# Allegro board mask_layout.brd
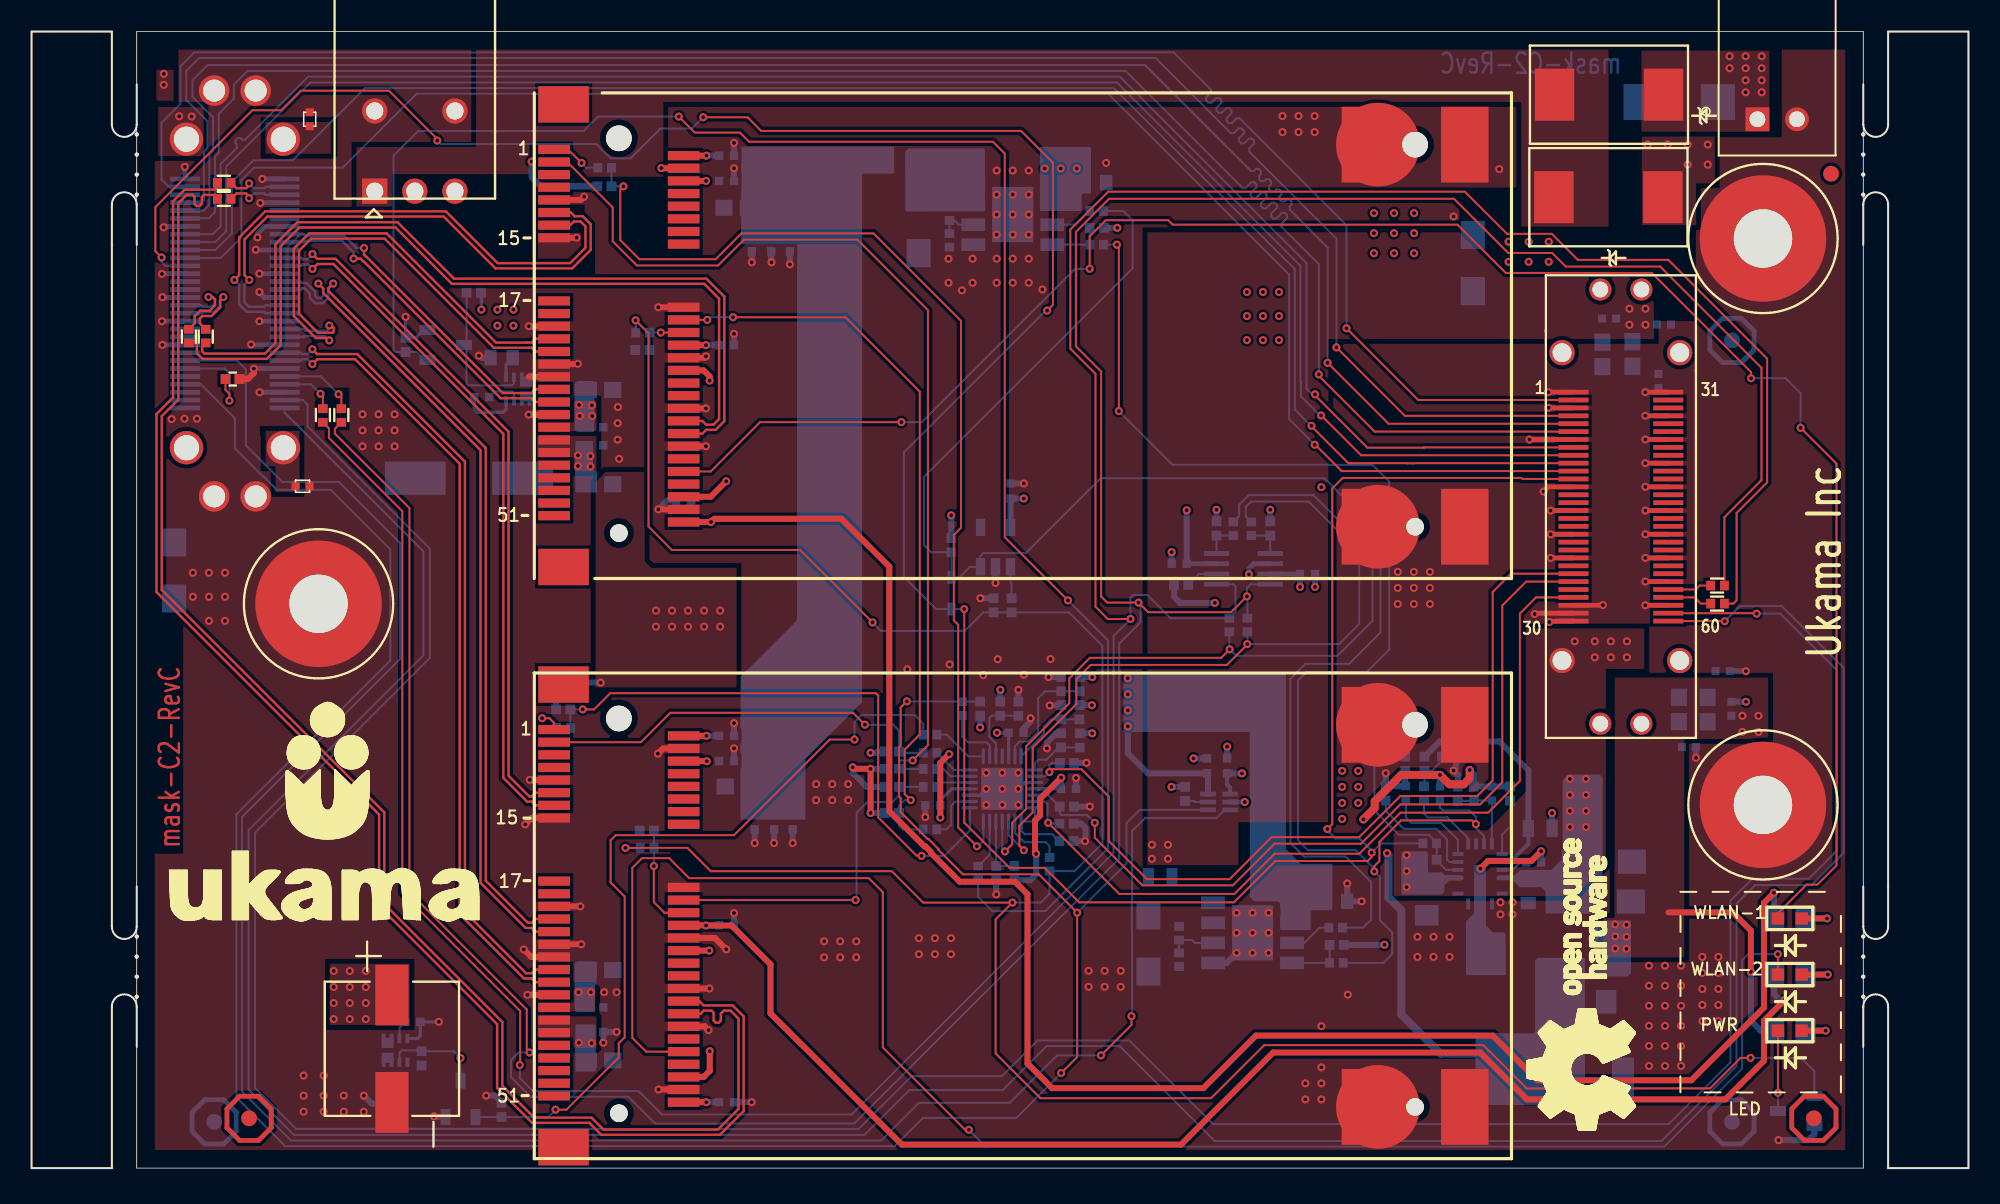
[diagram p0: board, top side]
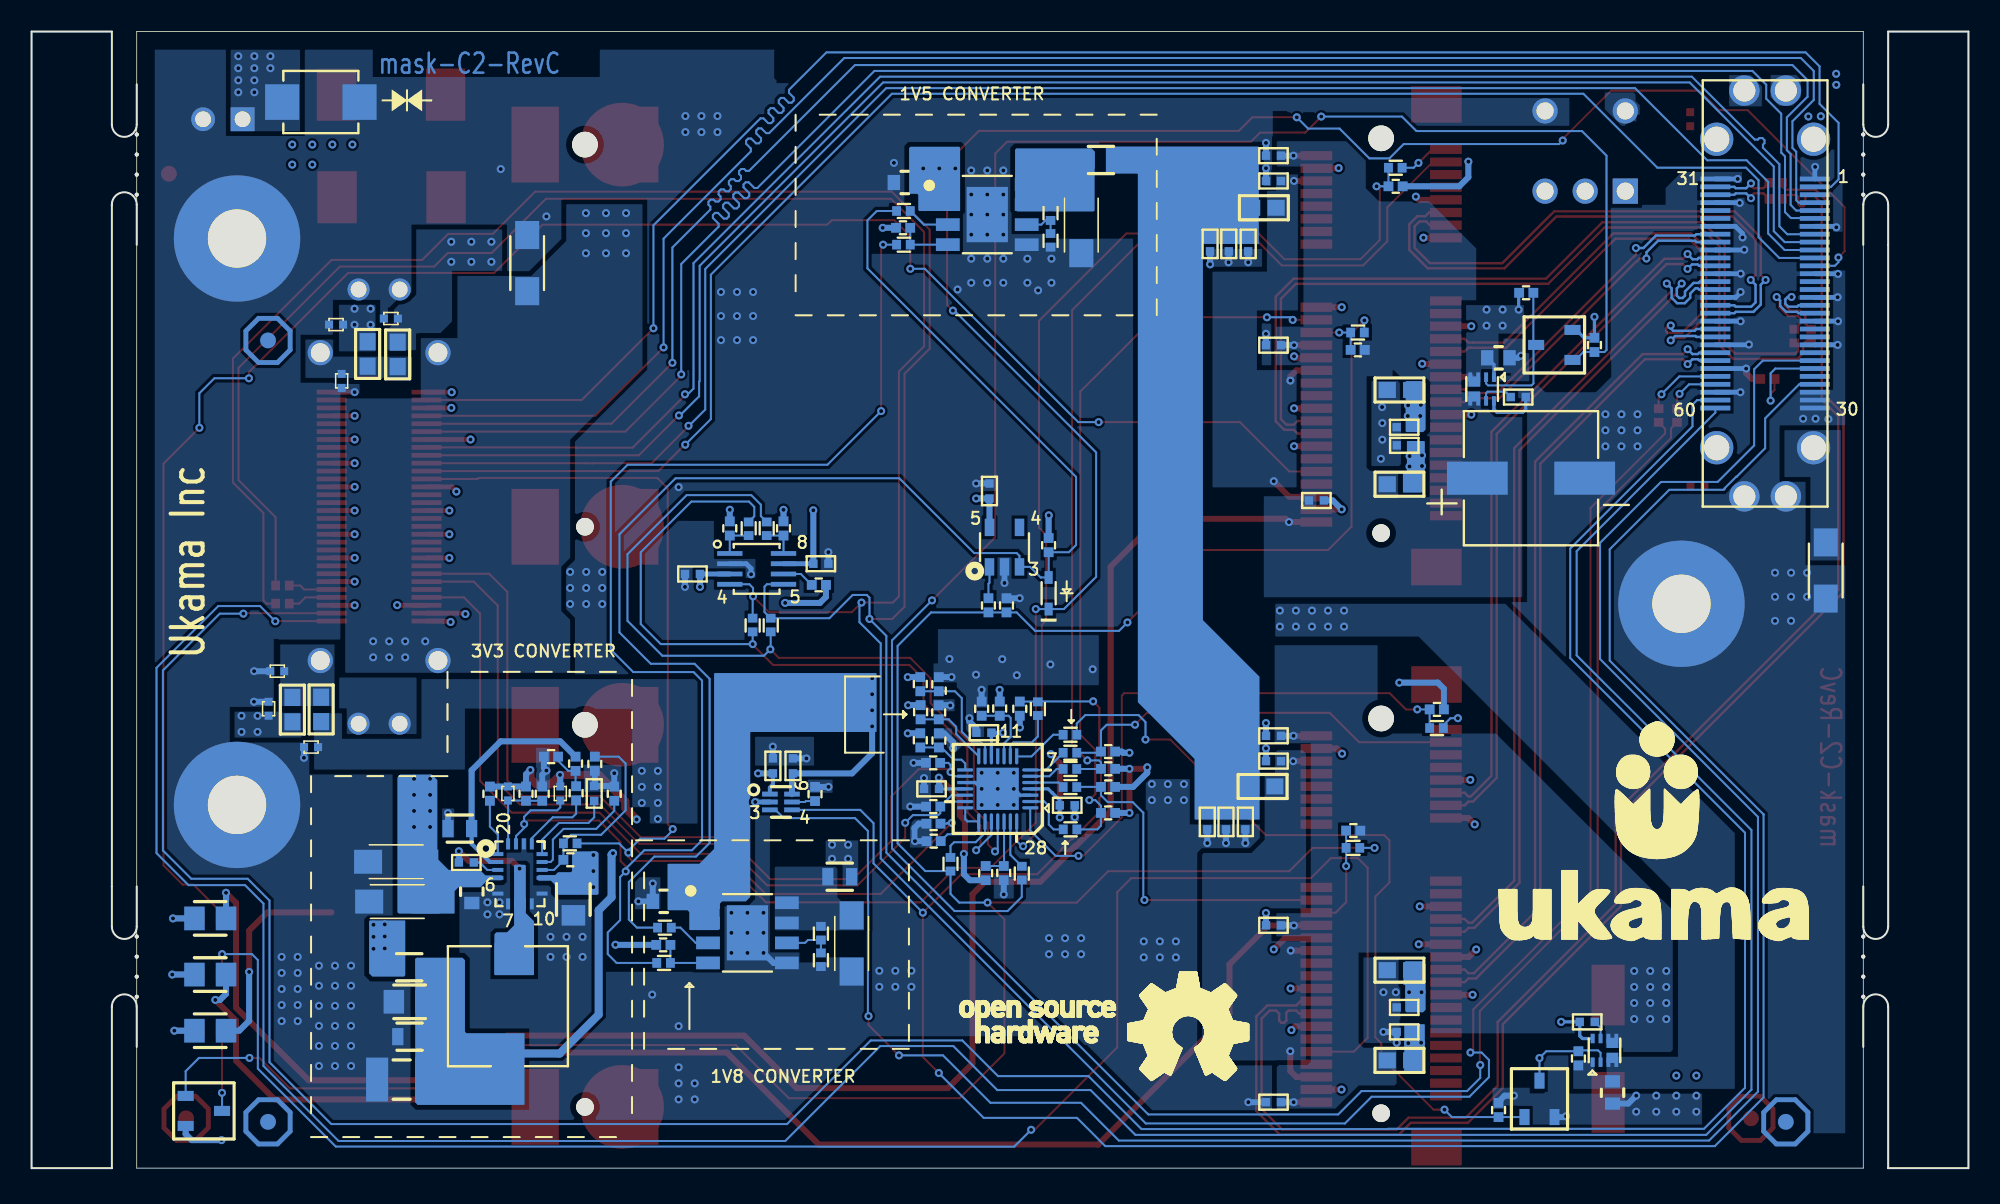
[diagram p1: board, bottom side, seen from below]

Outline 122.61 x 71.99 mm; copper layers: TOP, L2-GND, L3-PWR, BOTTOM. Coordinates in mm from the lower left corner of the outline.
Outline path: 5.08,71.99 0,71.99 0,0 5.08,0 ; 117.53,71.99 122.61,71.99 122.61,0 117.53,0 ; 6.65,71.99 6.65,0 115.95,0 115.95,71.99 6.65,71.99

## Design rules (mm)
net group PCIE2_CLK: nets PCIE2_CLKN PCIE2_CLKP
net group PCIE2_RX: nets PCIE2_RXN PCIE2_RXP
net group PCIE2_TX: nets PCIE2_TXN PCIE2_TXP
net group PCIE3_CLK: nets PCIE3_CLKN PCIE3_CLKP
net group PCIE3_RX: nets PCIE3_RXN PCIE3_RXP
net group PCIE3_TX: nets PCIE3_TXN PCIE3_TXP
net group PWR: nets DC_12V_IN LT8640_INT_VCC
net group USB3_RX0_: nets USB3_RX0_N USB3_RX0_P
net group USB3_TX0_: nets USB3_TX0_N USB3_TX0_P
net group USB_D0: nets USB_DN0 USB_DP0
net group USB_D1: nets USB_DN1 USB_DP1
net group USB_D2_BRKOUT: nets USB_DN2_BRKOUT USB_DP2_BRKOUT
net group USB_DP1: nets N04873 N04915
net group USB_DP2: nets N05031 N05071
net group DEFAULT: nets 3V3_PG I2C_ADD0 I2C_ADD1 IOE_I2C2_3V3_SCL IOE_I2C2_3V3_SDA IOE_INT_1V8 IOE_INT_3V3 MASK_IOE_GPIO_1 MASK_IOE_GPIO_2 MASK_IOE_GPIO_3 MPCIE1_PWR_DISABLE MPCIE2_PWR_DISABLE N294974 N294998 N295424 N295478 N295500 N295572 N295666 N295674 N16291792 N16293975 N16295073 N16296066 N16296070 N16296132 N16297469 N16297659 N16297665 N16297759 N16297763 N16298199 N16298243 N16299411 N16299415 N16300335 N16300339 N16300917 N16301810 N16302673 N16304665 N16306652 N16307501 N16308713 N16308727 N16309214 N16312036 N16312435 N16316897 N16318631 N16319040 N16775947 N16775967 PCIE_WAKE1 PCIE_WAKE2 SDR_1P8_GPIO6 SDR_POWER_OK SOC_I2C2_SCL_1P8 SOC_I2C2_SDA_1P8 SOC_I2C3_SCL_1P8 SOC_I2C3_SDA_1P8 SYS_NRST VDD_1V5_PG WLAN1_CHIP_PWD_L WLAN1_DISABLE WLAN1_LED WLAN2_CHIP_PWD_L WLAN2_DISABLE WLAN2_LED
net group SPI SIGNALS: nets SIO_SPI_CLK SIO_SPI_CS# SIO_SPI_MISO SIO_SPI_MOSI
net group UART SIGNALS: nets SOC_UART1_CTS SOC_UART1_RTS SOC_UART1_RX SOC_UART1_TX

## Placement (name value [footprint] x y rotation side)
C1  180uF  [CAPAE830X1200N]  27.69 43.7 180 bottom
C2  0.1UF  [SMC0402A]  17.61 65.99 180 top
C2B1  10uF  [SMC1206]  9.03 39.63 180 bottom
C2B2  10uF  [SMC1206]  91.24 55.54 0 bottom
C3  0.1UF  [SMC0402A]  16.71 43.19 90 top
C6  180uF  [CAPAE830X1200N]  22.81 7.56 270 top
C7  1uF  [SM_2_CAP-RES_0603_30H]  29.76 51.32 0 bottom
C8  0.1uF  [C0402]  43.99 64.13 0 bottom
C9  0.1uF  [C0402]  43.99 62.53 0 bottom
C10  1uF  [SM_2_CAP-RES_0603_30H]  67.32 62.43 180 bottom
C11  10uF  [SMC1206]  56.16 61.5 180 bottom
C12  0.1uF  [C0402]  48.01 58.54 270 bottom
C13  0.1uF  [C0402]  46.82 58.54 270 bottom
C14  0.1uF  [C0402]  45.59 58.54 270 bottom
C15  0.1uF  [C0402]  43.99 52.13 0 bottom
C16  0.1UF  [SMC0402A]  99.42 53.81 270 bottom
C17  0.1UF  [SMC0402A]  102.89 53.43 270 bottom
C18  0.1uF  [C0402]  35.72 46.92 0 bottom
C19  0.1UF  [SMC0402A]  102.98 50.31 180 bottom
C20  0.1uF  [C0402]  35.71 45.78 0 bottom
C21  0.1uF  [C0402]  41.27 42.29 180 bottom
C22  0.1uF  [C0402]  61.97 42.89 270 bottom
C23  0.1uF  [C0402]  72.65 38.28 180 bottom
C24  0.1uF  [C0402]  80.77 37.63 180 bottom
C25  0.1UF  [SMC0402A]  106.61 31.48 270 bottom
C26  0.1uF  [C0402]  43.99 27.38 0 bottom
C27  0.1uF  [C0402]  43.99 25.78 0 bottom
C28  0.1UF  [SMC0402A]  107.61 28.65 0 bottom
C29  0.1uF  [C0402]  62.32 27.58 0 bottom
C31  0.1UF  [SMC0402A]  104.47 26.67 270 bottom
C32  0.1uF  [C0402]  48.18 21.93 270 bottom
C33  0.1uF  [C0402]  47 21.93 270 bottom
C34  0.1uF  [C0402]  45.77 21.93 270 bottom
C35  0.1uF  [C0402]  75.68 25.48 270 bottom
C36  0.1uF  [C0402]  74.41 25.48 90 bottom
C37  10pF  [SMC0402A]  92.46 23.29 0 bottom
C38  0.1uF  [C0402]  86.99 23.73 90 bottom
C39  0.1uF  [C0402]  65.64 24.02 0 bottom
C40  0.1uF  [C0402]  57.05 22.98 180 bottom
C41  1uF  [CC0603]  95.5 21.51 0 bottom
C42  10uF  [SMC1206]  97.75 19.41 270 bottom
C43  0.1uF  [C0402]  95.09 19.36 0 bottom
C44  0.1uF  [C0402]  43.99 15.38 0 bottom
C45  1uF  [SM_2_CAP-RES_0603_30H]  94.74 17.5 270 bottom
C46  1uF  [CC0805]  88.32 17.01 270 bottom
C47  1uF  [SM_2_CAP-RES_0603_30H]  82.58 16.9 180 bottom
C48  10uF  [SMC1206]  97.68 16.89 270 bottom
C49  10uF  [SMC1206]  70.7 16.01 180 bottom
C50  0.1uF  [C0402]  35.72 10.18 0 bottom
C51  0.1uF  [C0402]  35.72 8.63 0 bottom
C52  4.7UF  [CC0805]  98.68 10.54 0 bottom
C53  1uF  [CC0603]  98.68 8.33 0 bottom
C54  0.1uF  [C0402]  43.99 4.18 0 bottom
C55  100uF  [CC1210]  99.19 5.61 0 bottom
C56  1uF  [SM_2_CAP-RES_0603_30H]  22.53 4.79 90 bottom
C57  1000pF  [C0402]  28.5 48.84 0 bottom
C58  1000pF  [C0402]  24.13 9.26 180 bottom
D1  RB751S40T5G  [SOD523F_2P_1_30X0_90_0_70MM]  58.23 36.41 90 bottom
D2  B530C-13-F  [B530C_13_F]  99.82 61.49 180 top
D3  SMBJ16CA  [DIOM5436X261N_LF_BI]  104.3 67.52 180 bottom
D4  B530C-13-F  [B530C_13_F]  99.86 67.99 180 top
FB1  120E / 2A  [FB0603]  44.6 60.83 0 bottom
FB2  120E / 2A  [FB0603]  36.02 49.29 180 bottom
FB3  120E / 2A  [FB0603]  101.34 51.57 270 bottom
FB4  120E / 2A  [FB0603]  99.44 51.54 270 bottom
FB5  120E / 2A  [FB0603]  36.02 43.32 180 bottom
FB6  120E / 2A  [FB0603]  104.28 29.05 90 bottom
FB7  120E / 2A  [FB0603]  106.1 29.04 90 bottom
FB8  120E / 2A  [FB0603]  44.68 24.17 0 bottom
FB9  120E / 2A  [FB0603]  36.02 12.54 180 bottom
FB10  120E / 2A  [FB0603]  36.02 6.83 180 bottom
J1  1775838-2  [SM_52_CON_DIMM_RA_190H]  60.15 52.73 270 top
J2  FX23_60PIN_CONN  [CON_60P_29_00X9_02_13_01MM_P]  100.61 36.9 0 top
J3  1775838-2  [SM_52_CON_DIMM_RA_190H]  60.15 15.98 270 top
J4  FX23_60PIN_CONN  [CON_60P_39_00X9_02_13_01MM_SOC]  12.87 55.4 180 bottom
JTB1  S2B-XH-A(LF)(SN)  [JST_S2B-XH-ALFSN]  110.5 66.43 0 top
L1  2.2uH  [WURTH_744777910]  92.46 10.26 180 bottom
LED1  LED  [LED_LTST-C190]  111.3 15.82 180 top
LED2  LED  [LED_LTST-C190]  111.3 12.26 180 top
LED3  LED  [LED_LTST-C190]  111.3 8.71 180 top
MH1  Mounting_Hole  [MTG370X800]  109.61 58.88 0 top
MH2  Mounting_Hole  [MTG370X800]  18.17 35.74 0 top
MH3  Mounting_Hole  [MTG370X800]  109.61 23.01 0 top
NOREF  -  [unnamed]  13.77 3.16 0 top
NOREF#2  -  [unnamed]  113.92 62.98 0 top
NOREF#3  -  [#2]  115.95 0 90 top
NOREF#4  -  [unnamed#3]  6.65 12.76 270 top
NOREF#5  -  [unnamed#3]  115.95 12.76 90 top
NOREF#6  -  [unnamed]  112.83 3.16 0 top
NOREF#7  -  [unnamed#3]  6.65 63.56 270 top
NOREF#8  -  [#2]  6.65 71.99 0 top
NOREF#9  -  [unnamed#3]  115.95 63.56 90 top
NOREF#10  -  [unnamed]  11.56 2.93 180 bottom
NOREF#11  -  [unnamed]  107.64 52.42 180 bottom
NOREF#12  -  [unnamed]  107.64 2.93 180 bottom
Q1  2N7002L  [SM_3_TRANS_SOT23_120X55_50H]  111.71 3.63 270 bottom
Q2  2N7002L  [SM_3_TRANS_SOT23_120X55_50H]  26.21 52.14 90 bottom
Q3  2N7002L  [SM_3_TRANS_SOT23_120X55_50H]  27.15 4.39 180 bottom
R1  0 Ohm  [SM_2_CAP-RES_0402_30H]  12.19 62.41 180 top
R2  0 Ohm  [SM_2_CAP-RES_0402_30H]  12.19 61.39 180 top
R3  0 Ohm  [SM_2_CAP-RES_0402_30H]  9.96 52.7 270 top
R4  0 Ohm  [SM_2_CAP-RES_0402_30H]  11.02 52.7 270 top
R5  10K  [R0402]  12.73 49.98 180 top
R6  0 Ohm  [SM_2_CAP-RES_0402_30H]  18.44 47.67 90 top
R7  0 Ohm  [SM_2_CAP-RES_0402_30H]  19.61 47.67 90 top
R8  0 Ohm  [SM_2_CAP-RES_0402_30H]  106.73 36.9 180 top
R9  0 Ohm  [SM_2_CAP-RES_0402_30H]  106.73 35.76 180 top
R12  220  [RC0805]  111.3 8.71 0 bottom
R13  220  [RC0805]  111.3 12.26 0 bottom
R14  220  [RC0805]  111.3 15.82 0 bottom
R15  10K  [R0402]  36.26 62.19 0 bottom
R16  0 Ohm  [SM_2_CAP-RES_0402_30H]  36.28 63.36 180 bottom
R17  10K  [R0402]  27.99 55.44 180 bottom
R18  0E  [RC0603]  54.92 63.85 180 bottom
R19  0 Ohm  [SM_2_CAP-RES_0402_30H]  67.42 60.62 180 bottom
R20  42.2K/1%  [SM_2_CAP-RES_0402_30H]  58.1 60.46 90 bottom
R21  10K  [R0402]  23.67 52.14 90 bottom
R22  10K  [R0402]  67.44 59.56 180 bottom
R23  47K  [SM_2_CAP-RES_0402_30H]  58.1 58.76 270 bottom
R24  0 Ohm  [SM_2_CAP-RES_0402_30H]  67.42 58.49 180 bottom
R25  0 Ohm  [SM_2_CAP-RES_0402_30H]  38.68 52.93 180 bottom
R26  10K  [R0402]  38.66 51.82 0 bottom
R27  10K  [R0402]  78.41 40.51 270 bottom
R28  10K  [R0402]  75.01 40.51 270 bottom
R29  0 Ohm  [SM_2_CAP-RES_0402_30H]  77.22 40.5 90 bottom
R30  0 Ohm  [SM_2_CAP-RES_0402_30H]  76.07 40.5 90 bottom
R31  10K  [R0402]  58.23 39.46 90 bottom
R32  10K  [R0402]  72.77 36.94 180 bottom
R33  0 Ohm  [R0402]  62.04 35.65 90 bottom
R34  10K  [R0402]  60.89 35.65 90 bottom
R35  0 Ohm  [SM_2_CAP-RES_0402_30H]  76.96 34.4 270 bottom
R36  0 Ohm  [SM_2_CAP-RES_0402_30H]  75.82 34.4 270 bottom
R37  10K  [R0402]  33.66 29.06 0 bottom
R38  0 Ohm  [SM_2_CAP-RES_0402_30H]  33.67 27.87 180 bottom
R39  10K  [R0402]  66.35 30.65 270 bottom
R40  10K  [R0402]  65.18 30.65 90 bottom
R41  10K  [R0402]  61.32 29.1 270 bottom
R42  0 Ohm  [SM_2_CAP-RES_0402_30H]  58.91 29.1 270 bottom
R43  10K  [R0402]  62.46 29.1 90 bottom
R44  10K  [R0402]  60.05 29.1 90 bottom
R45  10K  [R0402]  66.33 28.88 270 bottom
R46  10K  [R0402]  65.18 28.88 90 bottom
R47  0 Ohm  [SM_2_CAP-RES_0402_30H]  56.88 27.45 180 bottom
R48  10K  [R0402]  66.35 27.09 270 bottom
R49  10K  [R0402]  65.17 27.09 90 bottom
R50  10K  [R0402]  88.17 25.61 270 bottom
R51  12K  [RC0402]  86.95 25.61 90 bottom
R52  10K  [R0402]  89.73 26.06 0 bottom
R53  10K  [R0402]  54.46 26.38 0 bottom
R54  0 Ohm  [SM_2_CAP-RES_0402_30H]  56.88 26.31 180 bottom
R55  10K  [R0402]  65.54 25.67 0 bottom
R56  0 Ohm  [SM_2_CAP-RES_0402_30H]  56.88 25.28 180 bottom
R57  10K  [R0402]  54.46 25.29 0 bottom
R58  0 Ohm  [RC0402]  93.6 23.72 90 bottom
R59  240K  [RC0402]  91.31 23.72 90 bottom
R60  100K  [RC0402]  90.29 23.72 90 bottom
R61  100K  [SMR0402A]  89.14 24.17 180 bottom
R62  0 Ohm  [RC0402]  88.14 23.74 270 bottom
R63  41.2K  [RC0402]  85.72 23.72 90 bottom
R64  0 Ohm  [SM_2_CAP-RES_0402_30H]  56.88 24.14 180 bottom
R65  10K  [R0402]  54.46 24.15 0 bottom
R66  10K  [R0402]  73.01 23.7 90 bottom
R67  10K  [R0402]  65.53 22.9 0 bottom
R68  10K  [R0402]  54.46 22.5 0 bottom
R69  10K  [R0402]  65.52 21.82 0 bottom
R70  0 Ohm  [SM_2_CAP-RES_0402_30H]  56.87 21.46 180 bottom
R71  10K  [R0402]  38.95 21.38 0 bottom
R72  10K  [R0402]  65.51 20.71 0 bottom
R73  0 Ohm  [SM_2_CAP-RES_0402_30H]  88.51 20.57 0 bottom
R74  0 Ohm  [SM_2_CAP-RES_0402_30H]  38.96 20.28 180 bottom
R75  100K  [RC0402]  88.49 19.53 180 bottom
R76  0 Ohm  [SM_2_CAP-RES_0402_30H]  64.44 19.25 90 bottom
R77  10K  [R0402]  61.07 18.69 270 bottom
R78  0 Ohm  [SM_2_CAP-RES_0402_30H]  59.92 18.69 270 bottom
R79  10K  [R0402]  62.21 18.69 90 bottom
R80  0E  [RC0603]  71.45 18.46 180 bottom
R81  0 Ohm  [SM_2_CAP-RES_0402_30H]  82.55 15.23 180 bottom
R82  34.8K  [SM_2_CAP-RES_0402_30H]  72.64 14.88 270 bottom
R83  10K  [R0402]  82.62 14.14 180 bottom
R84  28K  [SM_2_CAP-RES_0402_30H]  72.64 13.2 270 bottom
R85  0 Ohm  [SM_2_CAP-RES_0402_30H]  82.6 13 180 bottom
R86  0E  [RC0603]  98.7 12.72 0 bottom
R87  10K  [R0402]  24.69 6.95 90 bottom
R88  10K  [R0402]  29.74 3.69 90 bottom
SW1  TS01AQE  [SPDT_2P54_10P16X13P7_5P08]  21.72 61.88 180 top
U1  SLG7NT408V  [TDFN2X2-8]  30.78 49.35 270 bottom
U2  AP7165  [SO8_4_90X3_90_1_45MM]  62.11 60.39 180 bottom
U3  ADM6316DZ26ARJZ-R7  [SOT95P280X145-5N_B]  61.02 39.33 180 bottom
U4  TCA9406DCTR  [SOIC_8P_2_90X3_15_1_30MM]  76.71 37.96 180 bottom
U5  SX1509B  [SM_28T_QFN_15P75_162LS_40H]  61.45 24.02 0 bottom
U6  SN74LVC1T45DRLR  [SOT-533_6P]  75.17 23.19 270 bottom
U7  LT8640EUDC  [QFN50P300X400X80-20N]  91.69 18.64 90 bottom
U8  AP7165  [SO8_4_90X3_90_1_45MM]  77.29 14.9 180 bottom
U9  SLG7NT408V  [TDFN2X2-8]  23.04 7.46 90 bottom

## Library data of the parts
C1 C6 = 25SVPF180M_7
C2 C3 C16 C17 C19 C25 C28 C31 = CAPN#1: signal model: CAPACITOR20PF
C2B1 C2B2 = CAPN#2: signal model: CAPACITOR20PF
C7 C10 C47 C56 = CAP NP
C8 C9 C12-C15 C18 C20 C21 C23 C24 C26 C27 C29 C32-C36 C39 C40 C44 C50 C51 C54 C57 C58 = CAP_NP
C11 C49 = CAP-NP
C22 C38 C42 C43 C48 = CAP_CER_0.1UF_10V_10%_X5R_0402
C37 C41 C45 C46 C52 C53 C55 = CAP-NP_1
D1 = RB751S40
D2 D4 = BZX84C3V0/SOT_3
D3 = SMDJ36CA
FB1-FB10 = Ferrite Bead
J1 J3 = Mini_PCIE_Socket_1
J2 J4 = FX23_60PIN_CONN_0
JTB1 = 1715022: room: MAINS_FILTER_CKT
L1 = INDUCTOR_2.8uH
LED1-LED3 = LED_GREEN
MH1-MH3 = Mounting_Hole_0
Q1-Q3 = 2N7002L
R1-R4 R6-R9 R16 R19 R20 R24 R25 R29 R30 R35 R36 R38 R42 R47 R54 R56 R64 R70 R73 R74 R76 R78 R81 R85 = R
R5 R15 R17 R21 R22 R26-R28 R31 R32 R37 R39-R41 R43-R46 R48 R49 R53 R55 R57 R65-R69 R71 R72 R77 R79 R83 R87 R88 = RES_10K_0402_10
R12-R14 = RES_100K_1/16W_5%_0402_SMD_1
R18 R80 R86 = RES_0ohm_0402_JUMPER
R23 R34 R82 R84 = RES_10K_OHM_1/16W_1%_0402_SMD
R33 = RES_0ohm_0402_1
R50 R52 R59 R60 R63 = R_1
R51 R58 R62 = RES_1.0_OHM_1/16W_0402_SMD
R61 R75 = 100K-1/16W-5%-0603_0
SW1 = spdt_swt_0
U1 U9 = SLG7NT408V
U2 U8 = AP7165_0
U3 = ADM6316_3
U4 = TCA9406DCTR
U5 = SX1509B_1
U6 = SN74LVC1T45DRLR_0
U7 = LT8610EMSE-EMSE16_0

## Footprints (pads in the part's own frame, mm; a bottom-side part is the same pattern mirrored in y, then rotated)
B530C_13_F
  rect 2.5x3.3 smd: 1(-3.45,0) 2(3.45,0)
C0402
  rect 0.533x0.533 smd: 1(-0.475,0) 2(0.475,0)
CAPAE830X1200N
  rect 3.85x2.1 smd: 1(-3.4,0) 2(3.4,0)
CC0603
  rect 0.711x1.092 smd: 1(-0.749,0) 2(0.749,0)
CC0805
  rect 1.295x1.499 smd: 1(-1,0) 2(1,0)
CC1210
  rect 1.397x2.794 smd: 1(-1.549,0) 2(1.549,0)
CON_60P_29_00X9_02_13_01MM_P
  rect 1.9x0.3 smd: 1(-3,12.25) 2(-3,11.75) 3(-3,11.25) 4(-3,10.75) 5(-3,10.25) 6(-3,9.75) 7(-3,9.25) 8(-3,8.75) 9(-3,8.25) 10(-3,7.75) 11(-3,7.25) 12(-3,6.75) 13(-3,6.25) 14(-3,5.75) 15(-3,5.25) 16(-3,4.75) 17(-3,4.25) 18(-3,3.75) 19(-3,3.25) 20(-3,2.75) 21(-3,2.25) 22(-3,1.75) 23(-3,1.25) 24(-3,0.75) 25(-3,0.25) 26(-3,-0.25) 27(-3,-0.75) 28(-3,-1.25) 29(-3,-1.75) 30(-3,-2.25) 31(3,12.25) 32(3,11.75) 33(3,11.25) 34(3,10.75) 35(3,10.25) 36(3,9.75) 37(3,9.25) 38(3,8.75) 39(3,8.25) 40(3,7.75) 41(3,7.25) 42(3,6.75) 43(3,6.25) 44(3,5.75) 45(3,5.25) 46(3,4.75) 47(3,4.25) 48(3,3.75) 49(3,3.25) 50(3,2.75) 51(3,2.25) 52(3,1.75) 53(3,1.25) 54(3,0.75) 55(3,0.25) 56(3,-0.25) 57(3,-0.75) 58(3,-1.25) 59(3,-1.75) 60(3,-2.25)
  round 1.4 hole 1.001: G1(-1.3,18.75) G2(-1.3,-8.75) G3(1.3,18.75) G4(1.3,-8.75)
  round 1.6 hole 1.199: PC1(-3.725,14.75) PC2(-3.725,-4.75) PC3(3.725,14.75) PC4(3.725,-4.75)
CON_60P_39_00X9_02_13_01MM_SOC
  rect 1.9x0.3 smd: 1(3.15,7.254) 2(3.15,6.754) 3(3.15,6.253) 4(3.15,5.753) 5(3.15,5.253) 6(3.15,4.752) 7(3.15,4.252) 8(3.15,3.754) 9(3.15,3.254) 10(3.15,2.753) 11(3.15,2.253) 12(3.15,1.753) 13(3.15,1.252) 14(3.15,0.752) 15(3.15,0.251) 16(3.15,-0.249) 17(3.15,-0.749) 18(3.15,-1.25) 19(3.15,-1.75) 20(3.15,-2.25) 21(3.15,-2.751) 22(3.15,-3.251) 23(3.15,-3.752) 24(3.15,-4.252) 25(3.15,-4.752) 26(3.15,-5.253) 27(3.15,-5.753) 28(3.15,-6.253) 29(3.15,-6.754) 30(3.15,-7.254) 31(-3.15,7.254) 32(-3.15,6.754) 33(-3.15,6.253) 34(-3.15,5.753) 35(-3.15,5.253) 36(-3.15,4.752) 37(-3.15,4.252) 38(-3.15,3.754) 39(-3.15,3.254) 40(-3.15,2.753) 41(-3.15,2.253) 42(-3.15,1.753) 43(-3.15,1.252) 44(-3.15,0.752) 45(-3.15,0.251) 46(-3.15,-0.249) 47(-3.15,-0.749) 48(-3.15,-1.25) 49(-3.15,-1.75) 50(-3.15,-2.25) 51(-3.15,-2.751) 52(-3.15,-3.251) 53(-3.15,-3.752) 54(-3.15,-4.252) 55(-3.15,-4.752) 56(-3.15,-5.253) 57(-3.15,-5.753) 58(-3.15,-6.253) 59(-3.15,-6.754) 60(-3.15,-7.254)
  round 1.93 hole 1.4: G1(-1.316,12.85) G2(-1.316,-12.85) G3(1.316,12.85) G4(1.316,-12.85)
  round 2.108 hole 1.6: PC1(3.066,9.769) PC2(3.066,-9.769) PC3(-3.066,9.769) PC4(-3.066,-9.769)
DIOM5436X261N_LF_BI
  rect 2.16x2.26 smd: 1(-2.45,0) 2(2.45,0)
FB0603
  rect 1.092x1.016 smd: 1(-0.775,0) 2(0.775,0)
JST_S2B-XH-ALFSN
  rect 1.508x1.508 hole 1: 1(-1.25,0)
  round 1.508 hole 1: 2(1.25,0)
LED_LTST-C190
  rect 0.787x0.787 smd: A(-0.75,0) K(0.75,0)
MTG370X800
  round 8.001 hole 3.701: 1(0,0)
QFN50P300X400X80-20N
  rect 0.249x0.701 smd: 1(1.25,1.4) 2(0.75,1.4) 3(0.25,1.4) 4(-0.25,1.4) 6(-1.25,1.4) 11(-1.25,-1.4) 13(-0.25,-1.4) 14(0.25,-1.4) 15(0.75,-1.4) 16(1.25,-1.4)
  rect 0.701x0.249 smd: 7(-1.9,0.75) 8(-1.9,0.25) 9(-1.9,-0.25) 10(-1.9,-0.75) 17(1.9,-0.75) 18(1.9,-0.25) 19(1.9,0.25) 20(1.9,0.75)
  rect 0.399x0.221 smd: 21(-1.075,0)
  rect 0.361x0.221 smd: 22(-0.305,0)
R0402
  rect 0.62x0.62 smd: 1(-0.45,0) 2(0.45,0)
RC0402
  rect 0.62x0.62 smd: 1(-0.45,0) 2(0.45,0)
RC0603
  rect 0.711x1.092 smd: 1(-0.75,0) 2(0.75,0)
RC0805
  rect 1.295x1.499 smd: 1(-1,0) 2(1,0)
SM_2_CAP-RES_0402_30H
  rect 0.559x0.61 smd: 1(-0.432,0) 2(0.432,0)
SM_2_CAP-RES_0603_30H
  rect 0.787x0.965 smd: 1(-0.705,0) 2(0.705,0)
SM_3_TRANS_SOT23_120X55_50H
  rect 0.635x1.016 smd: 1(-0.95,-1.152) 2(0.95,-1.152) 3(0,1.152)
SM_28T_QFN_15P75_162LS_40H
  custom 1.016x0.203 smd: 1(-2.057,1.2) 2(-2.057,0.8) 3(-2.057,0.4) 4(-2.057,0) 5(-2.057,-0.4) 6(-2.057,-0.8) 7(-2.057,-1.2) 15(2.057,-1.2) 16(2.057,-0.8) 17(2.057,-0.4) 18(2.057,0) 19(2.057,0.4) 20(2.057,0.8) 21(2.057,1.2)
  custom 0.203x1.016 smd: 8(-1.2,-2.057) 9(-0.8,-2.057) 10(-0.4,-2.057) 11(0,-2.057) 12(0.4,-2.057) 13(0.8,-2.057) 14(1.2,-2.057) 22(1.2,2.057) 23(0.8,2.057) 24(0.4,2.057) 25(0,2.057) 26(-0.4,2.057) 27(-0.8,2.057) 28(-1.2,2.057)
  rect 2.667x2.667 smd: 29(0,0)
SM_52_CON_DIMM_RA_190H
  rect 2.311x3.2 smd: (-14.65,-26.476) (14.65,-26.476)
  round 1.626 hole 1.626 unplated: (-12.5,-22.976) (-12.1,27.424)
  round 1.118 hole 1.118 unplated: (12.102,27.424) (12.502,-22.976)
  rect 0.584x2.007 smd: 1(-11.8,-27.076) 2(-11.4,-18.876) 3(-11,-27.076) 4(-10.6,-18.876) 5(-10.2,-27.076) 6(-9.8,-18.876) 7(-9.4,-27.076) 8(-9,-18.876) 9(-8.6,-27.076) 10(-8.2,-18.876) 11(-7.8,-27.076) 12(-7.4,-18.876) 13(-6.999,-27.076) 14(-6.599,-18.876) 15(-6.199,-27.076) 16(-5.799,-18.876) 17(-2.2,-27.076) 18(-1.8,-18.876) 19(-1.4,-27.076) 20(-1,-18.876) 21(-0.6,-27.076) 22(-0.2,-18.876) 23(0.2,-27.076) 24(0.6,-18.876) 25(1,-27.076) 26(1.4,-18.876) 27(1.8,-27.076) 28(2.2,-18.876) 29(2.6,-27.076) 30(3.001,-18.876) 31(3.401,-27.076) 32(3.801,-18.876) 33(4.201,-27.076) 34(4.601,-18.876) 35(5.001,-27.076) 36(5.401,-18.876) 37(5.801,-27.076) 38(6.201,-18.876) 39(6.601,-27.076) 40(7.001,-18.876) 41(7.401,-27.076) 42(7.801,-18.876) 43(8.201,-27.076) 44(8.601,-18.876) 45(9.001,-27.076) 46(9.401,-18.876) 47(9.801,-27.076) 48(10.201,-18.876) 49(10.601,-27.076) 50(11.002,-18.876) 51(11.402,-27.076) 52(11.802,-18.876)
  round 5.301 smd: 53(-12.1,25.074) 54(12.1,25.074)
  rect 4.8x3 smd: 55(12.102,24.274) 56(12.102,30.574) 57(-12.098,30.574) 58(-12.098,24.274)
SMC0402A
  rect 0.508x0.508 smd: 1(0,0) 2(0,-0.889)
SMC1206
  rect 1.524x1.778 smd: 1(0,0) 2(0,-3.556)
SMR0402A
  rect 0.508x0.508 smd: 1(0,0) 2(0,-0.889)
SO8_4_90X3_90_1_45MM
  rect 1.505x0.802 smd: 1(-2.498,1.905) 2(-2.498,0.635) 3(-2.498,-0.635) 4(-2.498,-1.905) 5(2.498,-1.905) 6(2.498,-0.635) 7(2.498,0.635) 8(2.498,1.905)
  rect 2.613x3.502 smd: 9(0,0)
SOD523F_2P_1_30X0_90_0_70MM
  rect 0.813x0.508 smd: A(1,0) K(-1,0)
SOIC_8P_2_90X3_15_1_30MM
  rect 1.6x0.3 smd: 1(-1.7,0.975) 2(-1.7,0.325) 3(-1.7,-0.325) 4(-1.7,-0.975) 5(1.7,-0.975) 6(1.7,-0.325) 7(1.7,0.325) 8(1.7,0.975)
SOT95P280X145-5N_B
  rect 0.6x1.1 smd: 1(-0.95,-1.25) 2(0,-1.25) 3(0.95,-1.25) 4(0.95,1.25) 5(-0.95,1.25)
SOT-533_6P
  rect 0.305x0.991 smd: 1(-0.5,-0.7) 2(0,-0.7) 3(0.5,-0.7) 4(0.5,0.7) 5(0,0.7) 6(-0.5,0.7)
SPDT_2P54_10P16X13P7_5P08
  rect 1.6x1.6 hole 1.09: 1(0,0)
  round 1.6 hole 1.09: 2(-2.54,0) 3(-5.08,0) SH1(0,-5.08) SH2(-5.08,-5.08)
TDFN2X2-8
  rect 0.6x0.25 smd: 1(-0.75,0.75) 2(-0.75,0.25) 3(-0.75,-0.25) 4(-0.75,-0.75) 5(0.75,-0.75) 6(0.75,-0.25) 7(0.75,0.25) 8(0.75,0.75)
unnamed
  round 1 smd: 1(0,0)
unnamed#3
  round 0.254 hole 1.092 unplated: (-1.905,0) (1.905,0)
  round 0.254 hole 0.508 unplated: (-0.635,0) (0.635,0)
WURTH_744777910
  rect 1.699x1.999 smd: 1(0,3) 2(0,-3)
